# Altium PCB FMC_SDR_LFFE.PcbDoc (part 1 of 3) (continued)
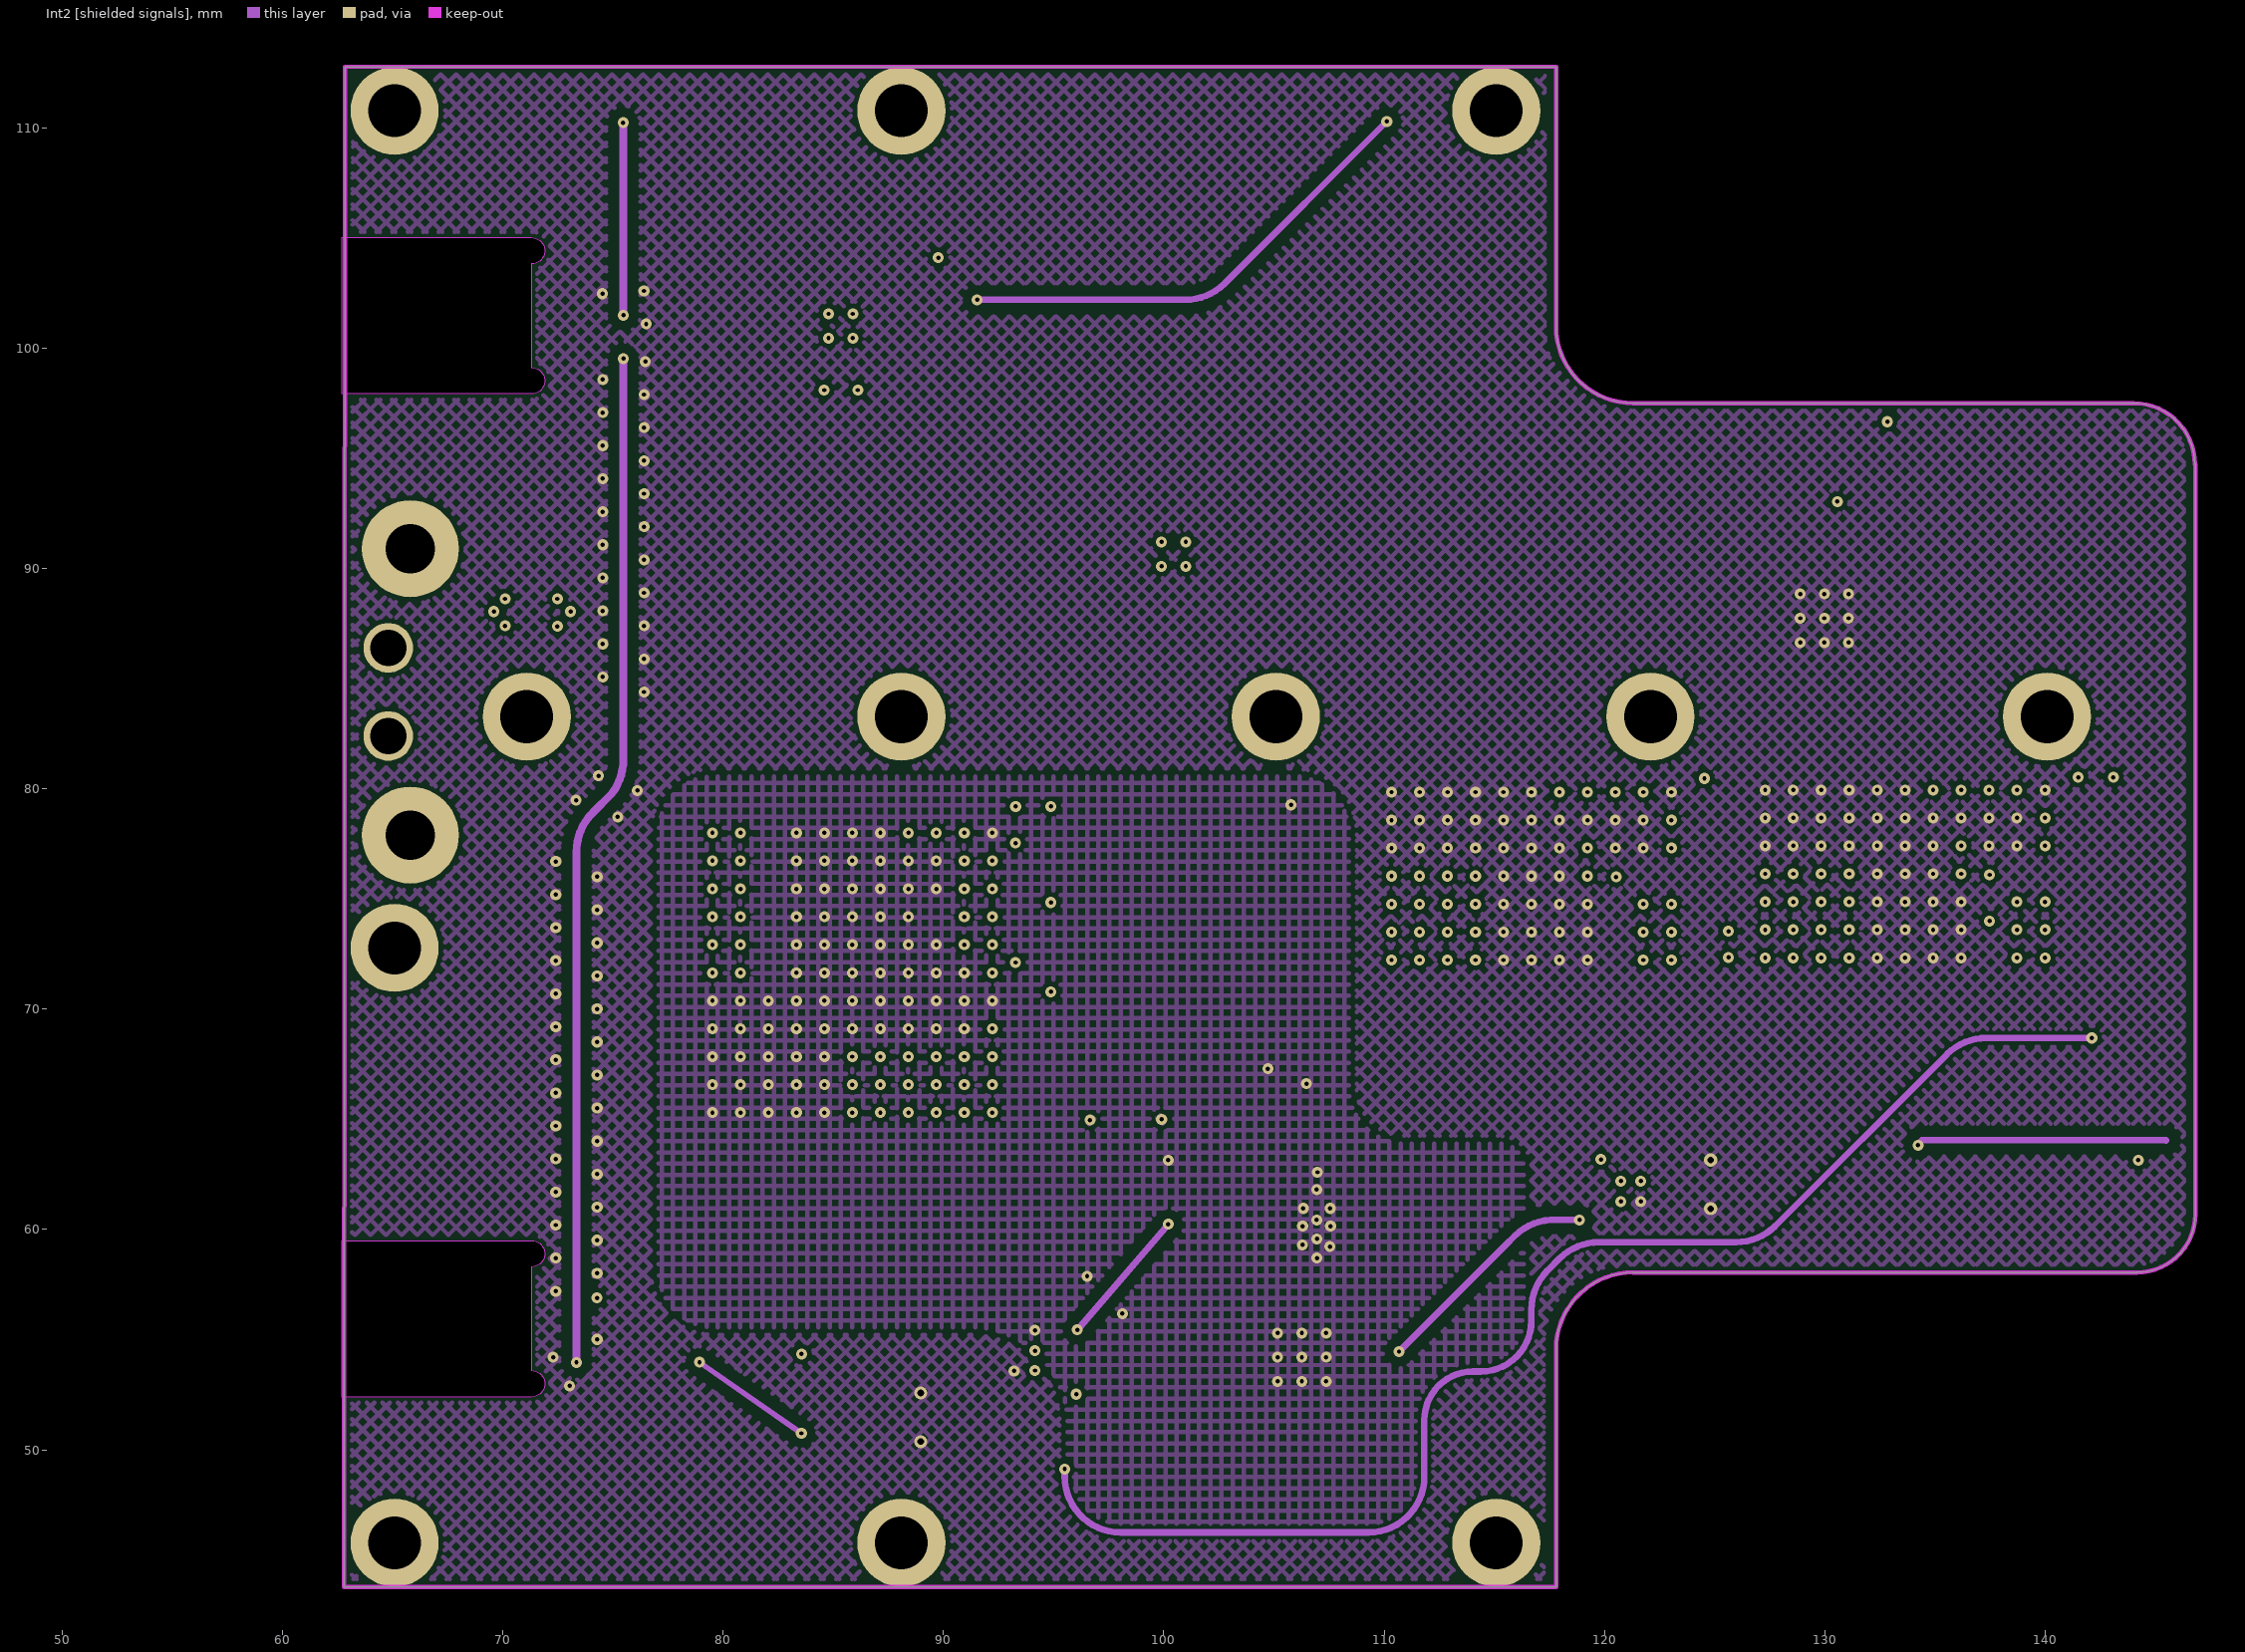
[diagram p3: Int2 [shielded signals]]
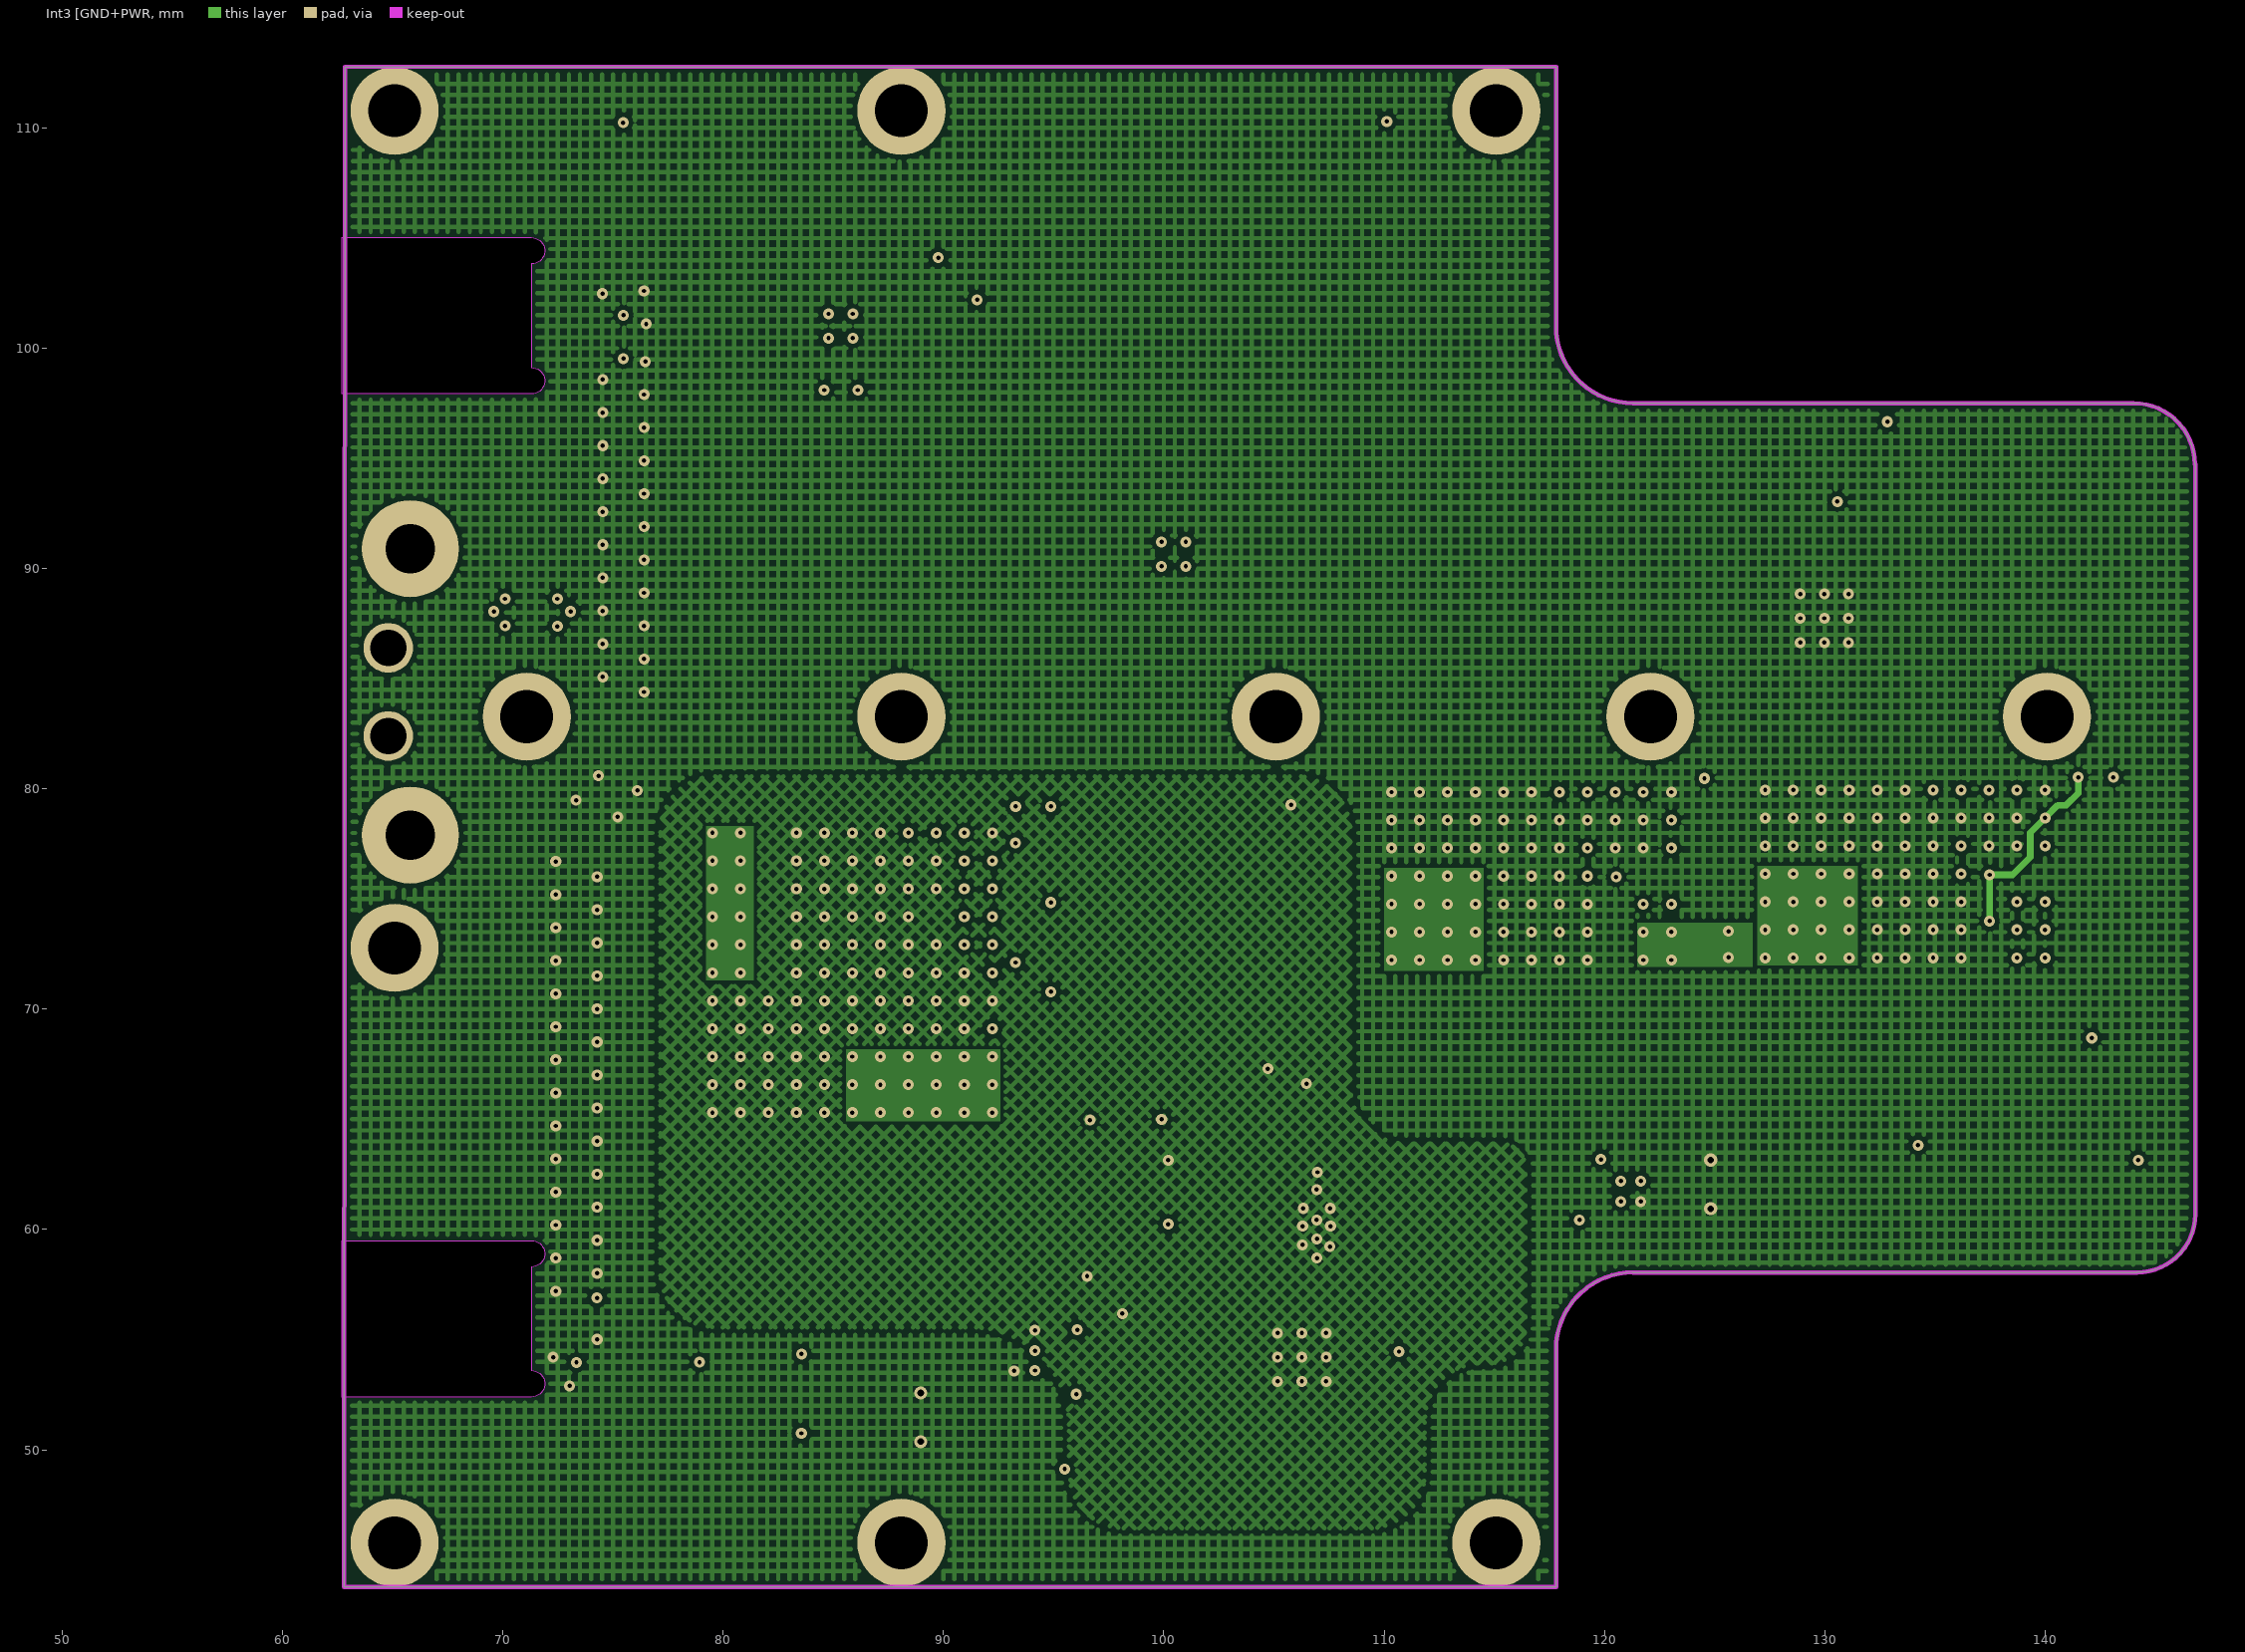
[diagram p4: Int3 [GND+PWR]
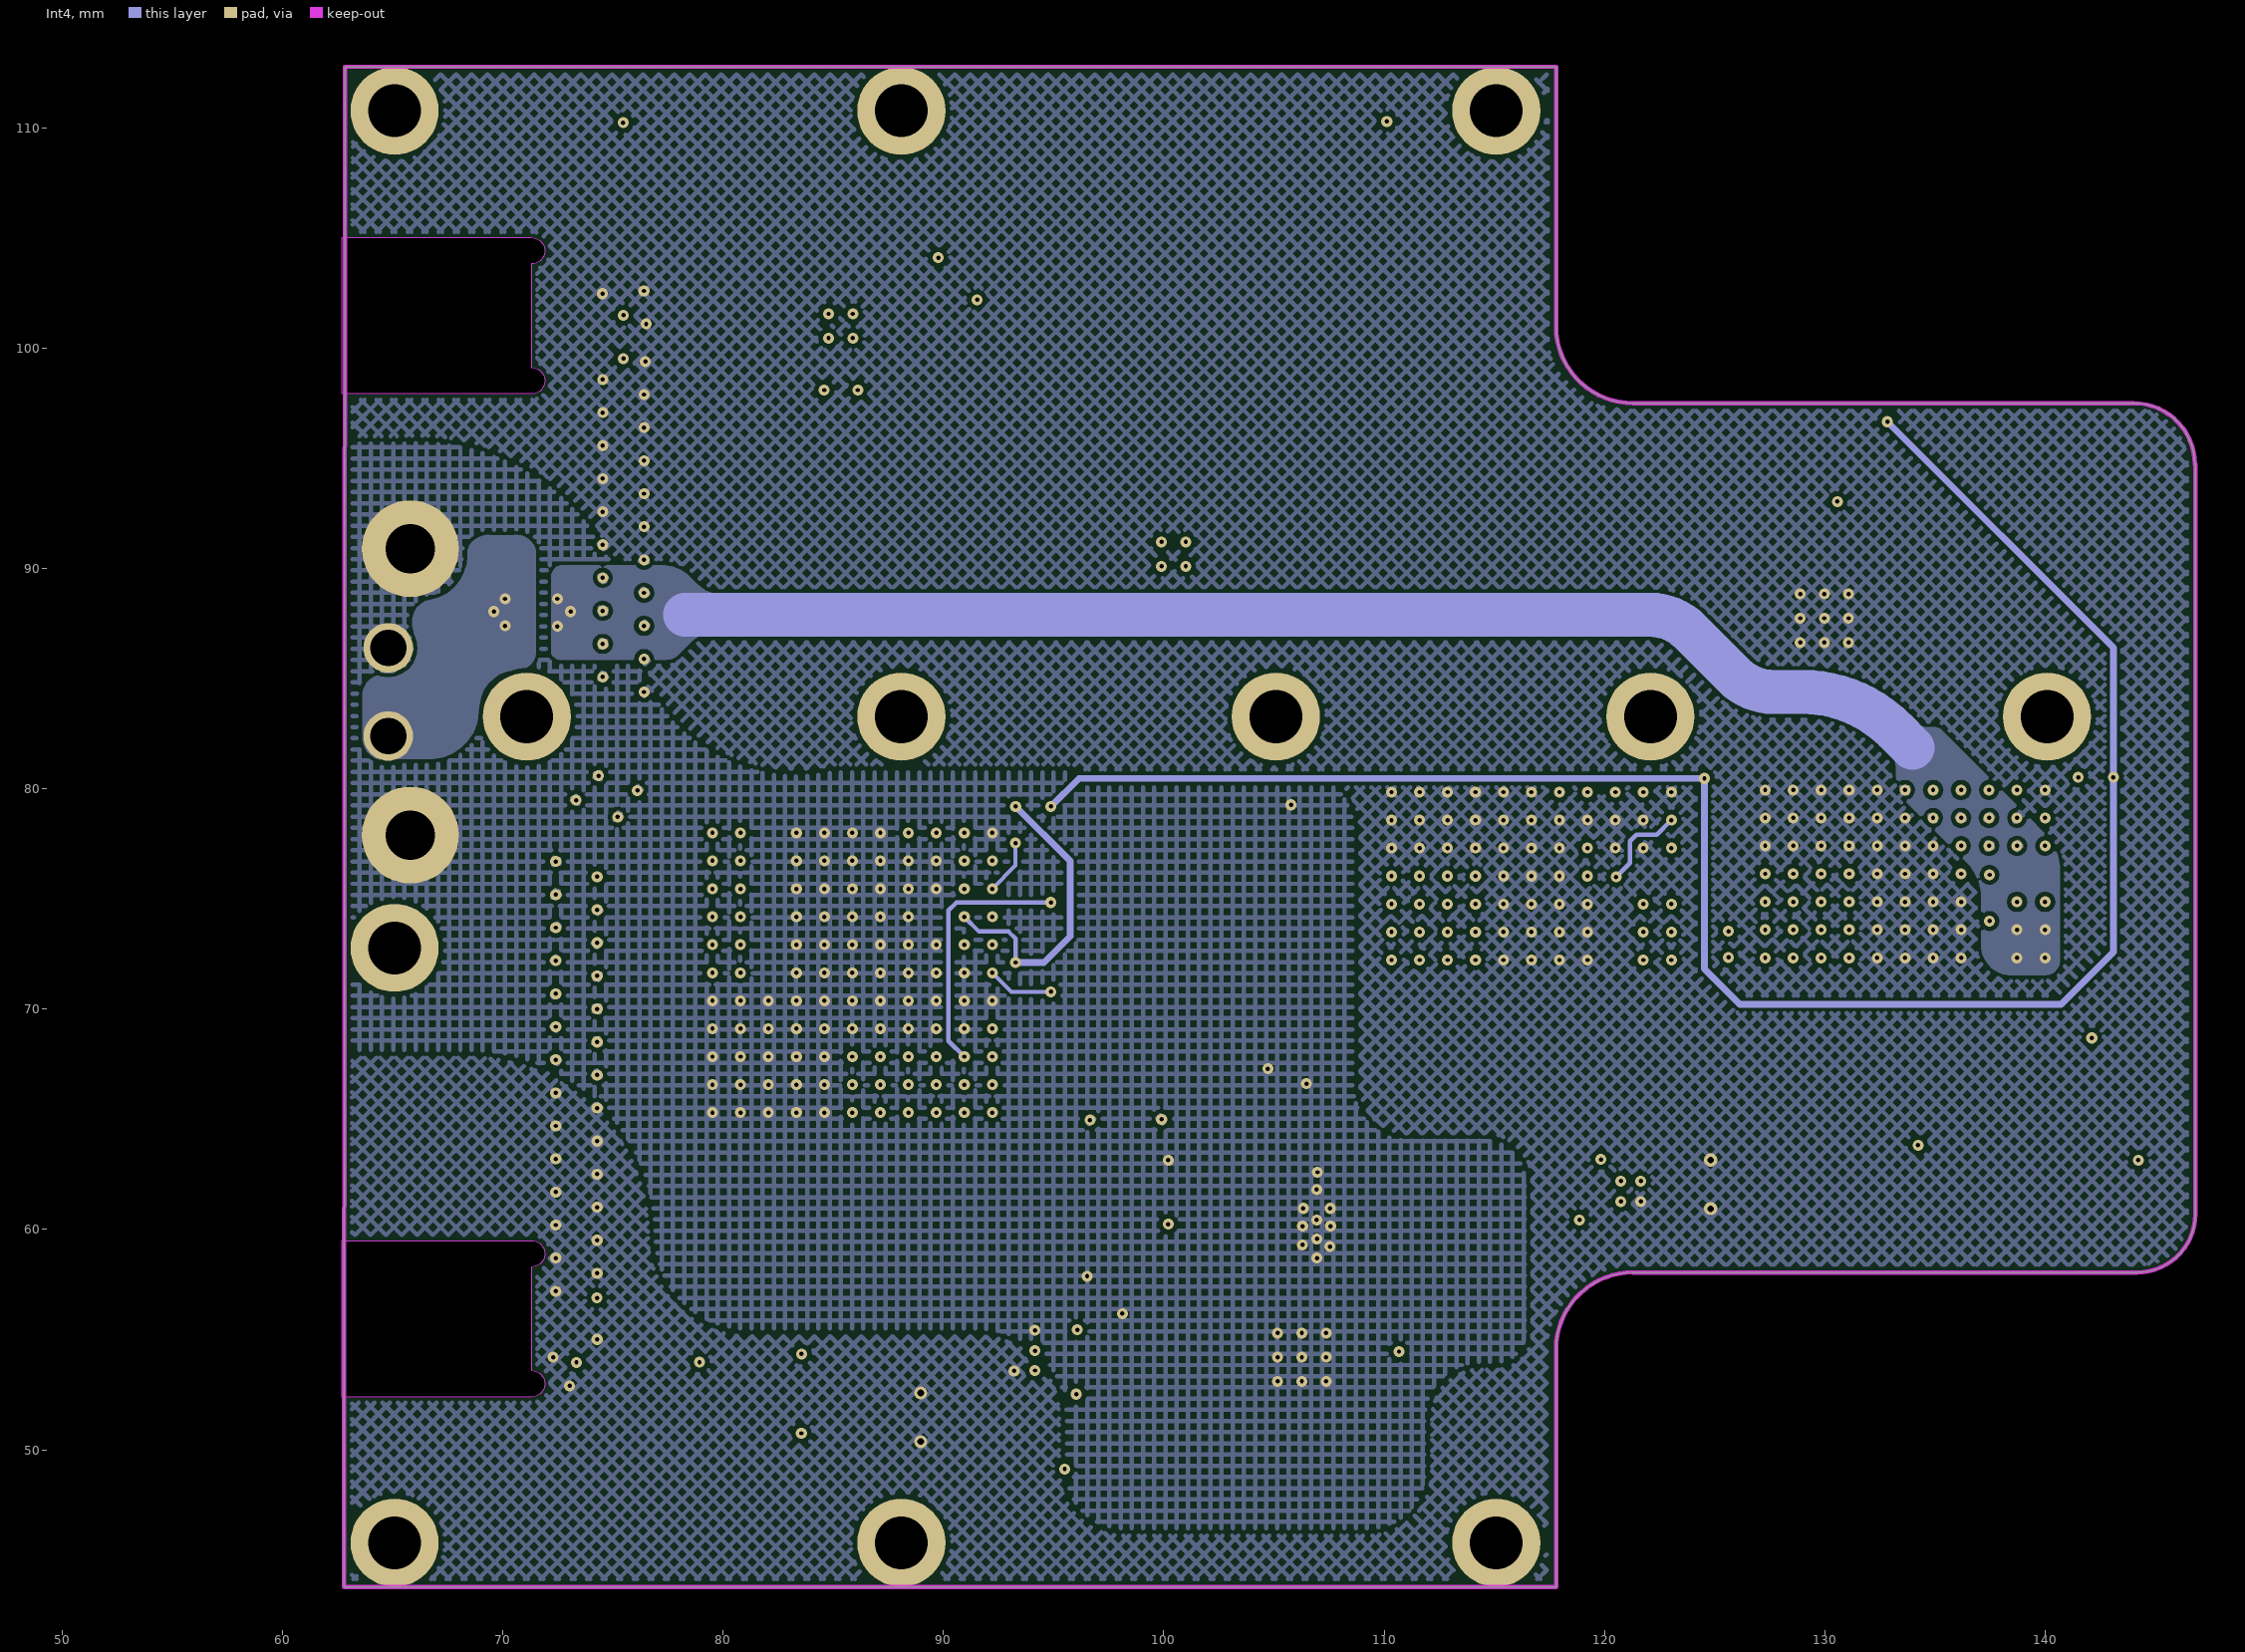
[diagram p5: Int4]

## Layer stack, top to bottom
Top Solder: solder mask 0.0254, SM-001, Dk 4
Top: signal copper 0.035
Dielectric 2: prepreg 0.11, FR408HR, Dk 3.68
Int1 [GND]: signal copper 0.035
Dielectric 3: core 0.3, FR408HR, Dk 3.68
Int2 [shielded signals]: signal copper 0.035
Dielectric 4: prepreg 0.28, FR408HR, Dk 3.68
Dielectric 5: prepreg 0.28, FR408HR, Dk 3.68
Int3 [GND+PWR: signal copper 0.035
Dielectric 6: core 0.3, FR408HR, Dk 3.68
Int4: signal copper 0.035
Dielectric 7: prepreg 0.11, FR408HR, Dk 3.68
Bottom: signal copper 0.035
Bottom Solder: solder mask 0.0254, SM-001, Dk 4

## Board outline
62.8,43.775 62.838,112.776 117.8,112.776 117.8,101.005 ccw(c121.3,101.005) 121.3,97.505 121.3,97.507 144.019,97.507 cw(c144.019,94.733) 146.793,94.733 146.813,94.733 146.813,60.688 cw(c144.18,60.688) 144.18,58.055 144.18,58.05 121.3,58.05 121.3,58.055 ccw(c121.3,54.555) 117.8,54.555 117.8,43.775

## Design rules (kind name [scope] priority, off if disabled: settings)
Clearance "Schematic Clearance Constraint" [InNet('NetC178_1')] p1: gap=0.15 ignorepadtopadclearanceinfootprint=FALSE except(0: Arc-Hole Track-Hole SMDPad-Hole THPad-Hole Via-Hole Fill-Hole Poly-Hole Region-Hole Text-Hole; 0.5: Arc-Arc Arc-Track Arc-SMDPad Arc-THPad Arc-Via Arc-Fill Arc-Poly Arc-Region Arc-Text Track-Track Track-SMDPad Track-THPad Track-Via Track-Fill Track-Poly Track-Region Track-Text)
Clearance Clearance_Diff [InNetClass('100R_diff')] p2: gap=0.15 ignorepadtopadclearanceinfootprint=TRUE except(0: Arc-Text Arc-Hole Track-Text Track-Hole SMDPad-Text SMDPad-Hole THPad-Text THPad-Hole Via-Text Via-Hole Fill-Text Fill-Hole Poly-Text Poly-Hole Region-Text Region-Hole Text-Text Text-Hole; 0.203: THPad-THPad THPad-Via THPad-Fill THPad-Poly THPad-Region Via-Via Via-Fill Via-Poly Via-Region)
Clearance Clearance_50R_EXTt [InComponentClass('RF_50R')] p3: gap=0.5 ignorepadtopadclearanceinfootprint=FALSE except(0: Arc-Text Arc-Hole Track-Text Track-Hole SMDPad-Text SMDPad-Hole THPad-Text THPad-Hole Via-Text Via-Hole Fill-Text Fill-Hole Poly-Text Poly-Hole Region-Text Region-Hole Text-Text Text-Hole; 0.15: SMDPad-SMDPad SMDPad-THPad SMDPad-Via Fill-Fill Fill-Poly Fill-Region Poly-Poly Poly-Region Region-Region; 0.203: THPad-THPad THPad-Via Via-Via Via-Fill Via-Poly Via-Region) // for the layers where 50 track is thinner than 0.2mm
Clearance Clearance_50R_INT [InNetClass('50R_class') vs (OnLayer('Int2') OR OnLayer('Int3'))] p4: gap=1 ignorepadtopadclearanceinfootprint=FALSE except(0: Arc-Text Arc-Hole Track-Text Track-Hole SMDPad-Text SMDPad-Hole THPad-Text THPad-Hole Via-Text Via-Hole Fill-Text Fill-Hole Poly-Text Poly-Hole Region-Text Region-Hole Text-Text Text-Hole; 0.15: SMDPad-SMDPad SMDPad-THPad SMDPad-Via SMDPad-Fill SMDPad-Poly SMDPad-Region Fill-Fill Fill-Poly Fill-Region Poly-Poly Poly-Region Region-Region; 0.203: THPad-THPad THPad-Via THPad-Fill THPad-Poly THPad-Region Via-Via Via-Fill Via-Poly Via-Region)
Clearance Clearance_50R_EXT [InNetClass('50R_class')] p5: gap=0.5 ignorepadtopadclearanceinfootprint=FALSE except(0: Arc-Text Arc-Hole Track-Text Track-Hole SMDPad-Text SMDPad-Hole THPad-Text THPad-Hole Via-Text Via-Hole Fill-Text Fill-Hole Poly-Text Poly-Hole Region-Text Region-Hole Text-Text Text-Hole; 0.15: SMDPad-SMDPad SMDPad-THPad SMDPad-Via SMDPad-Fill SMDPad-Poly SMDPad-Region Fill-Fill Fill-Poly Fill-Region Poly-Poly Poly-Region Region-Region; 0.203: THPad-THPad THPad-Via THPad-Fill THPad-Poly THPad-Region Via-Via Via-Fill Via-Poly Via-Region) // for the layers where 50 track is thinner than 0.2mm
Clearance [All] p6: gap=0.15 ignorepadtopadclearanceinfootprint=TRUE except(0: Arc-Text Arc-Hole Track-Text Track-Hole SMDPad-Text SMDPad-Hole THPad-Text THPad-Hole Via-Text Via-Hole Fill-Text Fill-Hole Poly-Text Poly-Hole Region-Text Region-Hole Text-Text Text-Hole; 0.203: THPad-THPad THPad-Via THPad-Fill THPad-Poly THPad-Region Via-Via Via-Fill Via-Poly Via-Region)
DiffPairsRouting [InDifferentialPairClass('100R_diff')] p1: maxlimit=0.127 minlimit=0.127 mostfreqgap=0.127 toplayer_minwidth=0.106 toplayer_maxwidth=0.106 toplayer_prefwidth=0.106 midlayer1_minwidth=0.109 midlayer1_maxwidth=0.2 midlayer1_prefwidth=0.109 midlayer2_minwidth=0.109 midlayer2_maxwidth=0.2 midlayer2_prefwidth=0.109 midlayer3_minwidth=0.068 midlayer3_maxwidth=0.068 midlayer3_prefwidth=0.068 midlayer4_minwidth=0.068 midlayer4_maxwidth=0.068 midlayer4_prefwidth=0.068 bottomlayer_minwidth=0.106 bottomlayer_maxwidth=0.106 bottomlayer_prefwidth=0.106 impedanceprofiledriven=TRUE impedanceprofileid={59B4253F-909B-4741-8C59-0C7B126F9FB3} maxuncoupledlength=7 // All RF and LVDS differential pairs. Uncoupled length for 2GHz.
FanoutControl Fanout_BGA [IsBGA] p1: bgadir=Out bgaviamode=Centered fanoutstyle=UnderPads fanoutdirection=Alternating viagrid=0.025 // Fanout_BGA (Default Rule)
FanoutControl Fanout_Default [All] p5: bgadir=Out bgaviamode=Centered fanoutstyle=UnderPads fanoutdirection=Alternating viagrid=0.025 // Fanout_Default (Default Rule)
PolygonConnect [All] p1: connectstyle=Direct reliefconductorwidth=0.3 reliefentries=4 polygonreliefangle="90 Angle" airgapwidth=0.2
RoutingVias [All] p1: holewidth=0.2 width=0.5 viastyle="Through Hole" minholewidth=0.2 minwidth=0.5 maxholewidth=8 maxwidth=10
SolderMaskExpansion [All] p1: expansion=0.102
Width Width_50R [InNetClass('50R_class')] p1: maxlimit=0.357 minlimit=0.1 preferedwidth=0.357 toplayer_minwidth=0.187 toplayer_maxwidth=0.22 toplayer_prefwidth=0.22 midlayer3_minwidth=0.123 midlayer3_maxwidth=0.123 midlayer3_prefwidth=0.123 midlayer4_minwidth=0.123 midlayer4_maxwidth=0.123 midlayer4_prefwidth=0.123 bottomlayer_minwidth=0.187 bottomlayer_maxwidth=0.22 bottomlayer_prefwidth=0.22 impedanceprofiledriven=TRUE impedanceprofileid={AAA84BB5-2217-4FCB-8379-AF56446E369D} minimp=50.000000 maximp=50.000000 favimp=50.000000
Width Width_midPower [InNetClass('midPower')] p2: maxlimit=10 minlimit=0.2 preferedwidth=0.5
Width Width_highPower [InNetClass('highPower')] p3: maxlimit=10 minlimit=0.2 preferedwidth=1.5
Width [All] p4: maxlimit=10 minlimit=0.1 preferedwidth=0.3
27 further rules are at their usual default settings.

## Classes and differential pairs
differential pair class 100R_diff: DIV_out DIV_PLLin PLLout TX_SHDND TXLO
net class highPower: EXTERNAL_PS FE_3V8 FE_5V5 FE_PA_VDD FMC_3V3_IN FMC_12V_IN NetC1_2 NetC3_2 NetC10_2 NetC165_2 NetC166_2 NetC167_1 NetC167_2 NetL21_1 PA_PS_IN
net class midPower: FE_3V3_CarrierR FE_3V3_Rx FE_3V3_SW FE_3V8 FE_5V0_CarrierR FE_5V0_Preamp FE_5V5 FE_-5V FE_PA_BIAS NetC15_2 NetC136_2 NetC150_2 NetC153_2 NetC181_1 NetC181_2 NetC186_1 NetC186_2 NetC193_2 NetC207_2 NetIC5_5 NetIC10_5 NetIC11_5 NetIC12_3 NetIC20_5 NetL3_2 NetL4_2 NetL13_1 PA_PS_IN
net class 50R_class: DIV_RFout LNA_OUT NetC16_1 NetC16_2 NetC17_1 NetC17_2 NetC18_1 NetC18_2 NetC19_2 NetC21_2 NetC105_1 NetC105_2 NetC106_2 NetC146_1 NetC146_2 NetC147_1 NetC147_2 NetC155_1 NetC155_2 NetC156_1 NetC156_2 NetC157_1 NetC157_2 NetC158_1 NetC158_2 NetC161_1 NetC161_2 NetC162_1 NetC162_2 NetC170_2 NetC177_2 NetC178_1 NetC178_2 NetFL1_1 NetFL4_1 NetIC9_1 NetIC9_4 NetIC16_5 NetJ3_1 NetJ4_1 NetJ7_1 NetL2_1 NetL17_2 NetOSC1_3 NetR33_2 NetR35_2 NetR58_1 NetR70_1 NetR70_2 NetU3_16 NetU4_6 RFOUTB RX_LO TX_IN TX_LO VCO_Vtune XTAL_OUT
differential pair TXLO: +TXLO_P -TXLO_N
differential pair PLLout: +PLLout_P -PLLout_N
differential pair DIV_PLLin: +DIV_PLLin_P -DIV_PLLin_N
differential pair DIV_out: +DIV_out_P -DIV_out_N
differential pair TX_SHDND: +TX_SHDND_P -TX_SHDND_N
